# Altium PCB SystemV1.PcbDoc (part 1 of 3) (continued)
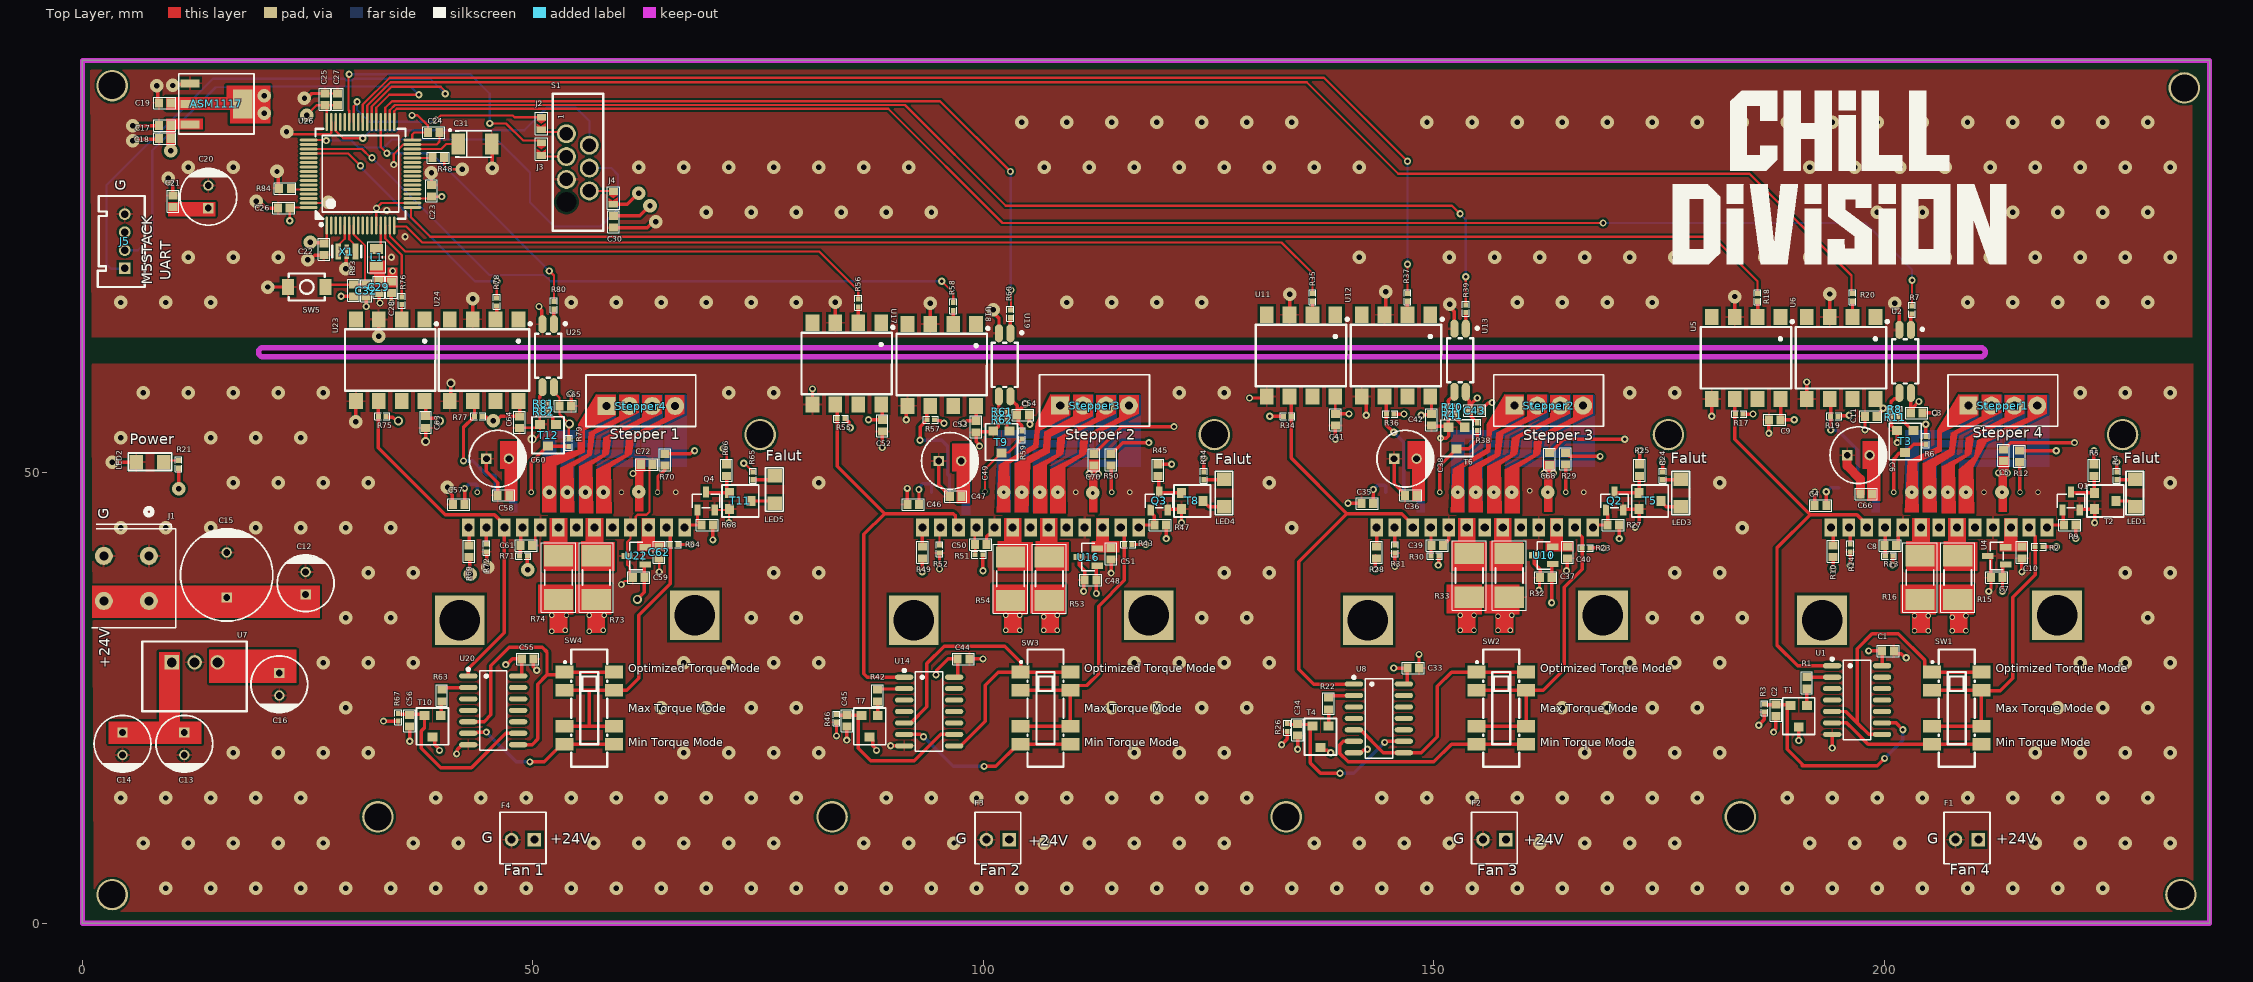
[diagram p0: Top Layer view]
## Components (designator, comment, footprint, x,y, rotation, side; value= is the part's Value field where it differs from the comment) (continued)
LED3 "1206 LED" "1206 LED" 177.292,47.498 r270 top
LED4 "1206 LED" "1206 LED" 126.619,47.498 r270 top
LED5 "1206 LED" "1206 LED" 76.708,47.879 r270 top
Q1 "C400505" SOT-23-3_L2.9-W1.3-P1.90-LS2.4-BR 220.726,46.863 r270 top
Q2 "C400505" SOT-23-3_L2.9-W1.3-P1.90-LS2.4-BR 170.053,46.863 r270 top
Q3 "C400505" SOT-23-3_L2.9-W1.3-P1.90-LS2.4-BR 119.507,46.863 r270 top
Q4 "C400505" SOT-23-3_L2.9-W1.3-P1.90-LS2.4-BR 69.215,46.863 r270 top
R1 "470R" RESC1608X06N 191.389,26.67 r270 top
R2 "4.7KR" R0402 217.173,41.783 r180 top
R3 "4.7KR" R0402 186.693,23.876 r270 top
R4 "4.7KR" R0402 225.806,49.657 r270 top
R5 "24KR" RESC1608X06N 223.266,50.292 r90 top
R6 "4.7KR" R0402 204.6,53.594 r270 top
R7 "1K" R0402 203.073,68.072 r90 top
R8 "4.7KR" R0402 201.171,57.023 r180 top
R9 "33KR" RESC1608X06N 220.599,44.196 r0 top
R10 "33KR" RESC1608X06N 194.31,41.275 r270 top
R11 "4.7KR" R0402 201.223,56.134 r180 top
R12 "0R" RESC1608X06N 215.014,51.816 r90 top
R13 "4.7KR" R0402 200.533,40.767 r180 top
R14 "51KR" R0402 196.215,41.656 r270 top
R15 "0.2R" RESC6431X12N 208.153,38.354 r90 top
R16 "0.2R" RESC6431X12N 203.962,38.354 r90 top
R17 "4.7KR" R0402 183.896,56.515 r180 top
R18 "330R" R0402 185.928,69.469 r90 top
R19 "4.7KR" R0402 194.437,56.261 r180 top
R20 "330R" R0402 196.469,69.469 r90 top
R21 "4.7KR" R0402 10.668,50.927 r90 top
R22 "470R" RESC1608X06N 138.303,24.384 r270 top
R23 "4.7KR" R0402 166.878,41.656 r180 top
R24 "4.7KR" R0402 175.387,49.657 r270 top
R25 "24KR" RESC1608X06N 172.847,50.292 r90 top
R26 "4.7KR" R0402 133.731,21.717 r270 top
R27 "33KR" RESC1608X06N 169.926,44.196 r0 top
R28 "33KR" RESC1608X06N 143.637,41.148 r270 top
R29 "0R" RESC1608X06N 164.595,51.562 r90 top
R30 "4.7KR" R0402 150.114,40.767 r180 top
R31 "51KR" R0402 145.669,41.529 r270 top
R32 "0.2R" RESC6431X12N 158.369,38.608 r90 top
R33 "0.2R" RESC6431X12N 153.924,38.608 r90 top
R34 "4.7KR" R0402 133.734,56.261 r0 top
R35 "330R" R0402 136.525,69.469 r90 top
R36 "4.7KR" R0402 145.161,56.515 r180 top
R37 "330R" R0402 147.066,69.469 r90 top
R38 "4.7KR" R0402 154.816,55.118 r270 top
R39 "1K" R0402 153.543,68.199 r90 top
R40 "4.7KR" R0402 152.022,57.277 r180 top
R41 "4.7KR" R0402 152.022,56.388 r180 top
R42 "470R" RESC1608X06N 88.265,25.273 r270 top
R43 "4.7KR" R0402 116.081,42.037 r180 top
R44 "4.7KR" R0402 124.46,49.657 r270 top
R45 "24KR" RESC1608X06N 119.38,50.292 r90 top
R46 "4.7KR" R0402 83.696,22.733 r270 top
R47 "33KR" RESC1608X06N 119.634,44.196 r0 top
R48 "24KR" RESC1608X06N 39.497,84.963 r180 top
R49 "33KR" RESC1608X06N 93.218,41.148 r270 top
R50 "0R" RESC1608X06N 114.176,51.435 r90 top
R51 "4.7KR" R0402 99.516,40.894 r180 top
R52 "51KR" R0402 95.123,41.529 r270 top
R53 "0.2R" RESC6431X12N 107.315,38.227 r90 top
R54 "0.2R" RESC6431X12N 102.997,38.227 r90 top
R55 "4.7KR" R0402 84.201,56.007 r180 top
R56 "330R" R0402 86.106,68.834 r90 top
R57 "4.7KR" R0402 94.159,55.88 r180 top
R58 "330R" R0402 96.647,68.453 r90 top
R59 "4.7KR" R0402 104.27,54.177 r270 top
R60 "1K" R0402 102.997,67.639 r90 top
R61 "4.7KR" R0402 102.111,56.769 r180 top
R62 "4.7KR" R0402 102.111,55.88 r180 top
R63 "470R" RESC1608X06N 39.878,25.273 r270 top
R64 "4.7KR" R0402 65.659,42.037 r180 top
R65 "4.7KR" R0402 74.422,49.657 r270 top
R66 "24KR" RESC1608X06N 71.501,50.292 r90 top
R67 "4.7KR" R0402 35.052,22.86 r270 top
R68 "33KR" RESC1608X06N 69.342,44.196 r0 top
R69 "33KR" RESC1608X06N 42.926,41.275 r270 top
R70 "0R" RESC1608X06N 64.646,51.435 r90 top
R71 "4.7KR" R0402 48.947,40.767 r180 top
R72 "51KR" R0402 44.831,41.656 r270 top
R73 "0.2R" RESC6431X12N 57.023,38.354 r90 top
R74 "0.2R" RESC6431X12N 52.832,38.354 r90 top
R75 "4.7KR" R0402 33.274,56.261 r180 top
R76 "330R" R0402 35.433,69.088 r90 top
R77 "4.7KR" R0402 43.942,56.261 r180 top
R78 "330R" R0402 45.974,68.961 r90 top
R79 "4.7KR" R0402 53.975,53.34 r270 top
R80 "1K" R0402 52.324,68.58 r90 top
R81 "4.7KR" R0402 51.181,57.658 r180 top
R82 "4.7KR" R0402 51.181,56.769 r180 top
R83 "24KR" RESC1608X06N 30.099,70.231 r90 top
R84 "24KR" RESC1608X06N 22.479,81.534 r0 top
S1 "STM Debug" STM_Debug 54.991,84.455 r90 top
Stepper1 "Header 4 Pin Polar" PCBComponent_1#2 213.157,57.452 r0 top
Stepper2 "Header 4 Pin Polar" PCBComponent_1#2 162.747,57.452 r0 top
Stepper3 "Header 4 Pin Polar" PCBComponent_1#2 112.337,57.452 r0 top
Stepper4 "Header 4 Pin Polar" PCBComponent_1#2 61.976,57.404 r0 top
SW1 "MST23D19G2" SW-SMD_MST23D19G2 208.026,23.876 r270 top
SW2 "MST23D19G2" SW-SMD_MST23D19G2 157.48,23.876 r270 top
SW3 "MST23D19G2" SW-SMD_MST23D19G2 106.89,23.876 r270 top
SW4 "MST23D19G2" SW-SMD_MST23D19G2 56.261,23.876 r270 top
SW5 "C492861" SW-SMD_L4.0-W3.0-LS4.8 24.892,70.612 r0 top
T1 "MMBT3904 Transistor" MMBT3904 190.5,22.987 r270 top
T2 "MMBT3904 Transistor" MMBT3904 224.536,46.863 r0 top
T3 "MMBT3904 Transistor" MMBT3904 202.314,53.467 r270 top
T4 "MMBT3904 Transistor" MMBT3904 137.414,20.701 r270 top
T5 "MMBT3904 Transistor" MMBT3904 173.99,46.863 r0 top
T6 "MMBT3904 Transistor" MMBT3904 152.53,53.848 r270 top
T7 "MMBT3904 Transistor" MMBT3904 87.376,21.844 r270 top
T8 "MMBT3904 Transistor" MMBT3904 123.19,46.863 r0 top
T9 "MMBT3904 Transistor" MMBT3904 101.995,53.41 r270 top
T10 "MMBT3904 Transistor" MMBT3904 38.862,21.844 r270 top
T11 "MMBT3904 Transistor" MMBT3904 73.025,46.863 r0 top
T12 "MMBT3904 Transistor" MMBT3904 51.678,54.172 r270 top
U1 "SN74HC14DR" SOIC-14_L8.7-W3.9-P1.27-LS6.0-BL 196.977,24.765 r270 top
U2 "TLP291(GB-TP,SE" SOP-4-1.27mm 202.311,62.357 r90 top
U3 "TB6600HG" HZIP25-P-1.00F 218.059,43.942 r180 bottom locked
U4 "REF3318AIDBZR" SOT-23-3_L2.9-W1.3-P1.90-LS2.4-BR 212.474,40.767 r0 top
U5 "6N137S-TA1-L" SOP-8_L9.8-W6.6-P2.54-LS10.3-BL 184.658,62.738 r180 top
U6 "6N137S-TA1-L" SOP-8_L9.8-W6.6-P2.54-LS10.3-BL 195.199,62.738 r180 top
U7 "C5369649" SIP-3 9.906,28.854 r0 top
U8 "SN74HC14DR" SOIC-14_L8.7-W3.9-P1.27-LS6.0-BL 143.891,22.733 r270 top
U9 "TB6600HG" HZIP25-P-1.00F 167.649,43.942 r180 bottom locked
U10 "REF3318AIDBZR" SOT-23-3_L2.9-W1.3-P1.90-LS2.4-BR 162.198,40.828 r0 top
U11 "6N137S-TA1-L" SOP-8_L9.8-W6.6-P2.54-LS10.3-BL 135.255,62.992 r180 top
U12 "6N137S-TA1-L" SOP-8_L9.8-W6.6-P2.54-LS10.3-BL 145.796,62.992 r180 top
U13 "TLP291(GB-TP,SE" SOP-4-1.27mm 152.908,62.484 r90 top
U14 "SN74HC14DR" SOIC-14_L8.7-W3.9-P1.27-LS6.0-BL 93.98,23.495 r270 top
U15 "TB6600HG" HZIP25-P-1.00F 117.239,43.942 r180 bottom locked
U16 "REF3318AIDBZR" SOT-23-3_L2.9-W1.3-P1.90-LS2.4-BR 111.633,40.64 r0 top
U17 "6N137S-TA1-L" SOP-8_L9.8-W6.6-P2.54-LS10.3-BL 84.836,62.103 r180 top
U18 "6N137S-TA1-L" SOP-8_L9.8-W6.6-P2.54-LS10.3-BL 95.377,61.976 r180 top
U19 "TLP291(GB-TP,SE" SOP-4-1.27mm 102.362,61.976 r90 top
U20 "SN74HC14DR" SOIC-14_L8.7-W3.9-P1.27-LS6.0-BL 45.593,23.622 r270 top
U21 "TB6600HG" HZIP25-P-1.00F 66.829,43.942 r180 bottom locked
U22 "REF3318AIDBZR" SOT-23-3_L2.9-W1.3-P1.90-LS2.4-BR 61.468,40.767 r0 top
U23 "6N137S-TA1-L" SOP-8_L9.8-W6.6-P2.54-LS10.3-BL 34.163,62.484 r180 top
U24 "6N137S-TA1-L" SOP-8_L9.8-W6.6-P2.54-LS10.3-BL 44.577,62.484 r180 top
U25 "TLP291(GB-TP,SE" SOP-4-1.27mm 51.689,62.992 r90 top
U26 "STM32" LQFP-64_L10.0-W10.0-P0.50-LS12.0-BL 30.861,83.185 r0 top
X1 "8MHz" SMD3213-3P 29.337,74.549 r0 top

## Footprints (in the part's own frame and the unit in brackets; to place one, negate y for a bottom-side part, rotate by r counter-clockwise, add the part's x,y. Pads: shape width x height; smd on the part's side, far side on the other; paste and mask are expansions set on the pad)
"1206 LED" [mm]
  rect 1.5x1.6 smd: 1(-1.778,0.127) 2(1.27,0.127)
  silkscreen extent -2.67,-0.89 2.16,1.07, body extent -1.7,-0.69 1.5,0.91, height 1.1
CAPLEAD_D6.3MM [mm]
  rect 1.15x1.15 / inner round 1.15 / far side rect 1.15x1.15 hole 0.75: 1(0,0)
  round 1.15 hole 0.75: 2(2.5,0)
  silkscreen extent -1.9,-3.15 4.43,3.15, body extent -1.91,-3.18 4.39,3.12, height 9
CAPLEAD_D10mm [mm]
  rect 1.15x1.15 / inner round 1.15 / far side rect 1.15x1.15 hole 0.75: 1(0,0)
  round 1.15 hole 0.75: 2(5,0)
  silkscreen extent -2.62,-5.13 7.67,5.13, body extent -2.71,-5.25 7.79,5.25, height 14
CASE-B_3528 [mm]
  rect 1.506x2.376 smd paste+0 mask+0.051: 1(-1.861,0) 2(1.861,0)
  silkscreen extent -2.85,-1.55 1.83,1.63, body extent -1.85,-1.4 1.85,1.4, height 2
CONN2_235-402331-000_WAGO [mm]
  round 2 hole 1 paste-0.85 mask+0: 1(0,0) 2(0,-5) 3(5,0) 4(5,-5)
  silkscreen extent -5.29,-6.35 8,3, body extent -3.42,-9.58 8.08,3.02, height 15.6
CONN-TH_4P-P2.00_HX20020-4A_2 [mm]
  rect 1.3x1.3 hole 0.85: 1(0,0)
  round 1.3 hole 0.85: 2(-2,0) 3(-4,0) 4(-6,0)
  silkscreen extent -8,-3 2.1,2.2, body extent -8.05,-3.08 1.95,2.02, height 8
HZIP25-P-1.00F [mm]
  rect 1.4x2 hole 0.9: 1(0,0) 3(2,0) 5(4,0) 7(6,0) 9(8,0) 11(10,0) 13(12,0) 15(14,0) 17(16,0) 19(18,0) 21(20,0) 23(22,0) 25(24,0)
  rect 0.635x4.2 smd: 2(1,3.9) 4(3,3.9) 6(5,3.9) 8(7,3.9) 10(9,3.9) 12(11,3.9) 14(13,3.9) 16(15,3.9) 18(17,3.9) 20(19,3.9) 22(21,3.9) 24(23,3.9)
  round 3.5 hole 3: ""(-8.387,10.297) ""(34.04,-32.13)
  rect 5.516x5.516 / inner round 5.516 / far side rect 5.516x5.516 hole 4.5: ""(-1.116,-9.746) ""(24.97,-10.3)
  silkscreen extent -11.88,-35.63 37.54,13.79, body extent -11.53,-35.47 37.89,13.95, height 18
INDC2012X06N [mm] "Chip Inductor, 2-Leads, Body 2.00x1.25mm, IPC Medium Density"
  rect 1.07x1.47 smd: 1(-0.92,0) 2(0.92,0)
  silkscreen extent -1.7,-1 1.7,1, body extent -1.1,-0.72 1.1,0.72, height 0.6
Jumper [mm]
  rect 0.75x1 smd paste-2539.97: 1(-0.051,0)
  rect 0.75x1.03 smd paste-2539.97: 2(1.351,0)
  Top Layer region: 0.153,-0.495 0.368,-0.495 0.368,0.495 0.153,0.495
  Top Layer region: 1.06,0.502 0.601,0.502 0.964,-0.056 0.679,-0.514 1.06,-0.514
  Top Layer region: 0.356,0.495 0.683,0.013 0.356,-0.495
  silkscreen extent -0.61,-0.69 1.91,0.71
LQFP-64_L10.0-W10.0-P0.50-LS12.0-BL [mm]
  oval 0.3x2 smd paste+0 mask+0.051: 1(-3.75,-5.75) 2(-3.25,-5.75) 3(-2.75,-5.75) 4(-2.25,-5.75) 5(-1.75,-5.75) 6(-1.25,-5.75) 7(-0.75,-5.75) 8(-0.25,-5.75) 9(0.25,-5.75) 10(0.75,-5.75) 11(1.25,-5.75) 12(1.75,-5.75) 13(2.25,-5.75) 14(2.75,-5.75) 15(3.25,-5.75) 16(3.75,-5.75) 33(3.75,5.75) 34(3.25,5.75) 35(2.75,5.75) 36(2.25,5.75) 37(1.75,5.75) 38(1.25,5.75) 39(0.75,5.75) 40(0.25,5.75) 41(-0.25,5.75) 42(-0.75,5.75) 43(-1.25,5.75) 44(-1.75,5.75) 45(-2.25,5.75) 46(-2.75,5.75) 47(-3.25,5.75) 48(-3.75,5.75)
  oval 2x0.3 smd paste+0 mask+0.051: 17(5.75,-3.75) 18(5.75,-3.25) 19(5.75,-2.75) 20(5.75,-2.25) 21(5.75,-1.75) 22(5.75,-1.25) 23(5.75,-0.75) 24(5.75,-0.25) 25(5.75,0.25) 26(5.75,0.75) 27(5.75,1.25) 28(5.75,1.75) 29(5.75,2.25) 30(5.75,2.75) 31(5.75,3.25) 32(5.75,3.75) 49(-5.75,3.75) 50(-5.75,3.25) 51(-5.75,2.75) 52(-5.75,2.25) 53(-5.75,1.75) 54(-5.75,1.25) 55(-5.75,0.75) 56(-5.75,0.25) 57(-5.75,-0.25) 58(-5.75,-0.75) 59(-5.75,-1.25) 60(-5.75,-1.75) 61(-5.75,-2.25) 62(-5.75,-2.75) 63(-5.75,-3.25) 64(-5.75,-3.75)
  silkscreen extent -5,-5.79 5,5, body extent -6.01,-5.99 5.99,6.01, height 1.48
MMBT3904 [mm] "SOT23, 3-Leads, Body 2.90x2.45mm, Pitch 0.90mm, IPC Medium Density"
  rect 1x1.1 smd: B(-1.2,0.9) C(1.2,0) E(-1.2,-0.9)
  silkscreen extent -2.03,-1.78 2.03,1.78, body extent -0.7,-1.5 0.7,1.5, height 1.1
PCBComponent_1#1 [mm]
  rect 0.9x1 smd: 1(-0.65,0) 2(0.65,0)
  silkscreen extent -1.22,-0.64 1.22,0.64, body extent -1.03,-0.39 0.97,0.39, height 0.79
PCBComponent_1#2 [mm]
  rect 2x2 hole 0.9: 1(-3.81,0)
  round 2 hole 0.9: 2(-1.27,0) 3(1.27,0) 4(3.81,0)
  silkscreen extent -6.1,-2.29 6.1,3.43, body extent -6.2,-2.32 6.2,3.43, height 7
"PinHeader Polar" [mm]
  rect 1.5x1.5 hole 0.9: 1(-1.27,0)
  round 1.5 hole 0.9: 2(1.27,0)
  silkscreen extent -2.54,-3.05 2.54,2.67, body extent -2.54,-3.15 2.54,2.65, height 11.72
R0402 [mm]
  rect 0.566x0.54 smd paste-100 mask+0.051: 1(-0.433,0) 2(0.433,0)
  silkscreen extent -0.81,-0.37 0.84,0.38, body extent -0.58,-0.28 0.58,0.28, height 0.41
RESC1608X06N [mm] "Chip Resistor, 2-Leads, Body 1.60x0.80mm, IPC Medium Density"
  rect 0.9x1 smd: 1(-0.65,0) 2(0.65,0)
  silkscreen extent -1.22,-0.64 1.22,0.64, body extent -0.9,-0.5 0.9,0.5, height 0.55
RESC6431X12N [mm] "Chip Resistor, 2-Leads, Body 6.35x3.05mm, IPC Medium Density"
  rect 2.35x3.25 smd: 1(-2.425,0) 2(2.425,0)
  silkscreen extent -3.85,-1.9 3.85,1.9, body extent -3.2,-1.6 3.2,1.6, height 0.53
SIP-3 [mm]
  rect 1.6x1.6 hole 1.1 paste+0 mask+0.05: 1(0,0.102)
  round 1.6 hole 1.1 paste+0 mask+0.05: 2(2.54,0.102) 3(5.08,0.102)
  silkscreen extent -3.26,-5.33 8.34,2.41, body extent -3.16,-5.26 8.34,2.29, height 10.25
SMD3213-3P [mm]
  rect 0.65x1.8 smd mask+0.05: 1(-0.95,0) 3(0.95,0)
  rect 0.5x1.6 smd mask+0.05: 2(0,0)
  silkscreen extent -1.6,-0.65 1.6,0.65, body extent -1.6,-0.66 1.6,0.64, height 1.02
SOIC-14_L8.7-W3.9-P1.27-LS6.0-BL [mm]
  oval 0.574x2.038 smd paste+0 mask+0.051: 1(-3.81,-2.769) 2(-2.54,-2.769) 3(-1.27,-2.769) 4(0,-2.769) 5(1.27,-2.769) 6(2.54,-2.769) 7(3.81,-2.769) 8(3.81,2.769) 9(2.54,2.769) 10(1.27,2.769) 11(0,2.769) 12(-1.27,2.769) 13(-2.54,2.769) 14(-3.81,2.769)
  silkscreen extent -4.7,-2.92 4.4,1.52, body extent -4.43,-3 4.37,3, height 1.7
SOP-4-1.27mm [mm]
  oval 2x0.9 smd: 1(3.5,-0.635) 2(3.5,0.635) 3(-3.5,0.635) 4(-3.5,-0.635)
  silkscreen extent -2.45,-2.05 3.71,1.45, body extent -3.37,-1.3 3.63,1.3, height 2.1
SOP-8_L9.8-W6.6-P2.54-LS10.3-BL [mm]
  rect 1.525x1.78 smd paste+0 mask+0.051: 1(-3.81,-4.545) 2(-1.27,-4.545) 3(1.27,-4.545) 4(3.81,-4.545) 5(3.81,4.545) 6(1.27,4.545) 7(-1.27,4.545) 8(-3.81,4.545)
  silkscreen extent -5.27,-4.19 5.03,3.39, body extent -4.83,-5.15 4.83,5.15, height 4.32
SOT229P700X180-4N [mm] "SOT223, 4-Leads, Body 6.50x7.00mm (avg), Pitch 2.29mm, IPC Medium Density"
  rect 2.15x0.9 smd: GND(-2.93,2.29) Vin(-2.93,-2.29) Vout(-2.93,0)
  rect 2.15x3.25 smd: Vout(2.93,0)
  silkscreen extent -4.17,-3.35 4.17,3.35, body extent -3.55,-3.28 3.45,3.22, height 1.85
SOT-23-3_L2.9-W1.3-P1.90-LS2.4-BR [mm]
  rect 1.25x0.7 smd paste+0 mask+0.051: 1(1,-0.95) 2(1,0.95) 3(-1,0)
  silkscreen extent -0.73,-1.53 0.73,1.53, body extent -1.25,-1.47 1.25,1.53, height 1.05
STM_Debug [mm]
  round 1.524 hole 2.2: 0(-4.405,1.27)
  round 2.1 hole 1.5: 1(3.175,1.27) 2(0.635,1.27) 3(-1.905,1.27) 4(-3.175,-1.27) 5(-0.635,-1.27) 6(1.905,-1.27)
  silkscreen extent -7.6,-2.8 7.6,2.8
SW-SMD_L4.0-W3.0-LS4.8 [mm]
  rect 1.35x1.8 smd paste+0 mask+0.051: 1(-2.075,0) 2(2.075,0)
  silkscreen extent -2,-1.5 2,1.5, body extent -2.15,-1.52 2.15,1.43, height 2.01
SW-SMD_MST23D19G2 [mm]
  rect 1.4x2 smd: 1(-4,-2.75) 2(-2,-2.75) 3(2,-2.75) 4(4,-2.75) 5(4,2.75) 6(2,2.75) 7(-2,2.75) 8(-4,2.75)
  silkscreen extent -6.5,-2.8 6.5,2, body extent -4.92,-3.35 5.07,2.65, height 3.51

## Part data
ASM1117: "C347222", Created By=NourAldin
C1 C2 C3 C4 C5 C8 C9 C11 C21 C22 C23 C24 C25 C26 C30 C32 C33 C34 C35 C36 C39 C41 C42 C43 C44 C45 C46 C47 C50 C52 C53 C54 C55 C56 C57 C58 C61 C63 C64 C65 C66 C68 C70 C72: library part "0603 Capacitor", "C1591", Created By=NourAldin, DataSheet Link=https://eu.mouser.com/datasheet/2/400/lcc_automotive_general_en-843974.pdf, Mouser Link=https://eu.mouser.com/ProductDetail/TDK/CGA1A2X7R1H331M030BA?qs=sGAEpiMZZMs0AnBnWHyRQL8L3bkL%252bvtyS9XpSB1mk7rVV5K8%252bbxEeg%3d%3d
C6 C38 C49 C60: library part A759EQ475M2AAAE160, "C45100", Manufacturer=KEMET, Supplier Part Number 1=80-A759EQ475M2AAE160, Category="Polymer Capacitors", ComponentLink1Description=http://www.kemet.com/docfinder?Partnumber=A759EQ475M2AAAE160&src-supplier=Digikey, ComponentLink1URL=http://www.kemet.com/docfinder?Partnumber=A759EQ475M2AAAE160&src-supplier=Digikey, ComponentLink2Description=http://www.farnell.com/datasheets/2095614.pdf?src-supplier=Element14, ComponentLink2URL=http://www.farnell.com/datasheets/2095614.pdf?src-supplier=Element14, Manufacturer Part Number=A759EQ475M2AAAE160, Pricing 1="1=0.97, 10=0.73, 50=0.73, 100=0.546, 1000=0.384, 10000=0.326 (USD)", RoHS=Yes, Stock 1=17219, Supplier 1=Mouser
C7 C37 C48 C59: library part "0603 Capacitor", "C96446", Created By=NourAldin, DataSheet Link=https://eu.mouser.com/datasheet/2/400/lcc_automotive_general_en-843974.pdf, Mouser Link=https://eu.mouser.com/ProductDetail/TDK/CGA1A2X7R1H331M030BA?qs=sGAEpiMZZMs0AnBnWHyRQL8L3bkL%252bvtyS9XpSB1mk7rVV5K8%252bbxEeg%3d%3d
C10 C17 C28 C40 C51 C62: library part "0603 Capacitor", "C1592", Created By=NourAldin, DataSheet Link=https://eu.mouser.com/datasheet/2/400/lcc_automotive_general_en-843974.pdf, Mouser Link=https://eu.mouser.com/ProductDetail/TDK/CGA1A2X7R1H331M030BA?qs=sGAEpiMZZMs0AnBnWHyRQL8L3bkL%252bvtyS9XpSB1mk7rVV5K8%252bbxEeg%3d%3d
C12: library part A759EQ475M2AAAE160, "C47891", Manufacturer=KEMET, Supplier Part Number 1=80-A759EQ475M2AAE160, Category="Polymer Capacitors", ComponentLink1Description=http://www.kemet.com/docfinder?Partnumber=A759EQ475M2AAAE160&src-supplier=Digikey, ComponentLink1URL=http://www.kemet.com/docfinder?Partnumber=A759EQ475M2AAAE160&src-supplier=Digikey, ComponentLink2Description=http://www.farnell.com/datasheets/2095614.pdf?src-supplier=Element14, ComponentLink2URL=http://www.farnell.com/datasheets/2095614.pdf?src-supplier=Element14, Manufacturer Part Number=A759EQ475M2AAAE160, Pricing 1="1=0.97, 10=0.73, 50=0.73, 100=0.546, 1000=0.384, 10000=0.326 (USD)", RoHS=Yes, Stock 1=17219, Supplier 1=Mouser
C13 C16 C20: library part A759EQ475M2AAAE160, "C45099", Manufacturer=KEMET, Supplier Part Number 1=80-A759EQ475M2AAE160, Category="Polymer Capacitors", ComponentLink1Description=http://www.kemet.com/docfinder?Partnumber=A759EQ475M2AAAE160&src-supplier=Digikey, ComponentLink1URL=http://www.kemet.com/docfinder?Partnumber=A759EQ475M2AAAE160&src-supplier=Digikey, ComponentLink2Description=http://www.farnell.com/datasheets/2095614.pdf?src-supplier=Element14, ComponentLink2URL=http://www.farnell.com/datasheets/2095614.pdf?src-supplier=Element14, Manufacturer Part Number=A759EQ475M2AAAE160, Pricing 1="1=0.97, 10=0.73, 50=0.73, 100=0.546, 1000=0.384, 10000=0.326 (USD)", RoHS=Yes, Stock 1=17219, Supplier 1=Mouser
C14: library part A759EQ475M2AAAE160, "C2029", Manufacturer=KEMET, Supplier Part Number 1=80-A759EQ475M2AAE160, Category="Polymer Capacitors", ComponentLink1Description=http://www.kemet.com/docfinder?Partnumber=A759EQ475M2AAAE160&src-supplier=Digikey, ComponentLink1URL=http://www.kemet.com/docfinder?Partnumber=A759EQ475M2AAAE160&src-supplier=Digikey, ComponentLink2Description=http://www.farnell.com/datasheets/2095614.pdf?src-supplier=Element14, ComponentLink2URL=http://www.farnell.com/datasheets/2095614.pdf?src-supplier=Element14, Manufacturer Part Number=A759EQ475M2AAAE160, Pricing 1="1=0.97, 10=0.73, 50=0.73, 100=0.546, 1000=0.384, 10000=0.326 (USD)", RoHS=Yes, Stock 1=17219, Supplier 1=Mouser
C15: library part MAL215058101E3, "C2960279", Manufacturer="Vishay BCcomponents", Supplier Part Number 1=594-2222-150-58101, Category="Aluminum Electrolytic Capacitors", ComponentLink1Description=https://datasheet.ciiva.com/11697/150rmi-11697723.pdf?src-supplier=Avnet, ComponentLink1URL=https://datasheet.ciiva.com/11697/150rmi-11697723.pdf?src-supplier=Avnet, Manufacturer Part Number=MAL215058101E3, Pricing 1="1=1.45, 10=1.09, 50=1.09, 100=0.799, 1000=0.585, 10000=0.496 (USD)", RoHS=Yes, Stock 1=1562, Supplier 1=Mouser, Supplier 2=LCSC, Supplier Part Number 2=C1596751
C18 C19: library part "0603 Capacitor", "C2762594", Created By=NourAldin, DataSheet Link=https://eu.mouser.com/datasheet/2/400/lcc_automotive_general_en-843974.pdf, Mouser Link=https://eu.mouser.com/ProductDetail/TDK/CGA1A2X7R1H331M030BA?qs=sGAEpiMZZMs0AnBnWHyRQL8L3bkL%252bvtyS9XpSB1mk7rVV5K8%252bbxEeg%3d%3d
C27: library part "0603 Capacitor", "C69335", Created By=NourAldin, DataSheet Link=https://eu.mouser.com/datasheet/2/400/lcc_automotive_general_en-843974.pdf, Mouser Link=https://eu.mouser.com/ProductDetail/TDK/CGA1A2X7R1H331M030BA?qs=sGAEpiMZZMs0AnBnWHyRQL8L3bkL%252bvtyS9XpSB1mk7rVV5K8%252bbxEeg%3d%3d
C29: library part "0603 Capacitor", "C100042", Created By=NourAldin, DataSheet Link=https://eu.mouser.com/datasheet/2/400/lcc_automotive_general_en-843974.pdf, Mouser Link=https://eu.mouser.com/ProductDetail/TDK/CGA1A2X7R1H331M030BA?qs=sGAEpiMZZMs0AnBnWHyRQL8L3bkL%252bvtyS9XpSB1mk7rVV5K8%252bbxEeg%3d%3d
C31: library part "3528  Tantalum Cap", "C7206", JLCPCB Part Class="Extended Part", Manufacturer="Kyocera AVX", Manufacturer Part=TAJR106K006RNJ, Contributor=LCSC, nameAlias=Value, spicePre=C, spiceSymbolName=TAJR106K006RNJ, Supplier=LCSC, Supplier Part=C132274
F1 F2 F3 F4: library part "Header 2 pin", "Header 2 pin", Created By=NourAldin
J1: library part 235-402331-000, "C7461083", Mfr_Name=Wago, RefDes=RefDes, Type=Type
J5: library part ZX-HY2.0-4PZZ, "C42372479", Colour=White, Current Rating (Max)=2A, Flame Retardant Rating=UL94V-0, JLCPCB Part Class="Extended Part", LCSC Part Name="1x4P 间距:2mm 直插 系列:HY 配套胶壳型号：ZX-HY2.0-4PJK 配套端子型号：ZX-HY2.0-DZ 配套杜邦线型号：ZX-HY2.0-4PBXC", Manufacturer=Megastar(兆星), Operating Temperature Range=-25℃~+85℃, Rated Voltage (Max)=250V, Add into BOM=yes, Contact Material=Brass, Contact Plating=Tin, Convert to PCB=yes, DataSheet=https://atta.szlcsc.com/upload/public/pdf/source/20241025/5A7CD93910E89EF197073334521200FC.pdf, Device=ZX-HY2.0-4PZZ, Manufacturer Part=ZX-HY2.0-4PZZ, Mounting Style="Direct Insert", Number of Pins=4P, Number of PINs Per Row=4, Number of Rows=1, Pins Structure=1x4P, Pitch=2mm, Plastic Material=-, Reference Series=HY, Row Spacing=-, Supplementary Features=-, Supplier=LCSC, Supplier Footprint=插件,P=2mm, Supplier Part=C7429580, Symbol=ZX-HY2.0-4PZZ, X-Length of Bottom Edge on Board (Spacing Line)=10mm, Y-Width of Bottom Edge on Board=5.1mm, Z-Height of the Board=8mm
L1: library part "0805 SMD INDUCTOR", "C99366", Created By=NourAldin
LED1 LED3 LED4 LED5: "C434438", Created By=NourAldin
LED2: "C434442", Created By=NourAldin
Q1 Q2 Q3 Q4: library part BSS138_MOSFET, JLCPCB Part Class="Extended Part", Manufacturer=YANGJIE(扬杰), Manufacturer Part=BSS138, Contributor=LCSC, spicePre=Q, spiceSymbolName=BSS138_C400505, Supplier=LCSC, Supplier Part=C400505
R1 R22 R42 R63: library part "0603 Resistor", "C114669", Created By=NourAldin, DataSheet Link=https://eu.mouser.com/datasheet/2/315/AOA0000C307-1149632.pdf, Mouser Link=https://eu.mouser.com/ProductDetail/Panasonic/ERA-3AHD180V?qs=sGAEpiMZZMvdGkrng054t5mej2KPdPuFSlDBd1tSiF0%3d
R2 R3 R4 R6 R8 R11 R13 R17 R19 R21 R23 R24 R26 R30 R34 R36 R38 R40 R41 R43 R44 R46 R51 R55 R57 R59 R61 R62 R64 R65 R67 R71 R75 R77 R79 R81 R82: library part "0402 Resistor", "C105871"
R5 R25 R45 R48 R66 R83 R84: library part "0603 Resistor", "C2930081", Created By=NourAldin, DataSheet Link=https://eu.mouser.com/datasheet/2/315/AOA0000C307-1149632.pdf, Mouser Link=https://eu.mouser.com/ProductDetail/Panasonic/ERA-3AHD180V?qs=sGAEpiMZZMvdGkrng054t5mej2KPdPuFSlDBd1tSiF0%3d
R7 R39 R60 R80: library part "0402 Resistor", "C106235"
R9 R10 R27 R28 R47 R49 R68 R69: library part "0603 Resistor", "C126359", Created By=NourAldin, DataSheet Link=https://eu.mouser.com/datasheet/2/315/AOA0000C307-1149632.pdf, Mouser Link=https://eu.mouser.com/ProductDetail/Panasonic/ERA-3AHD180V?qs=sGAEpiMZZMvdGkrng054t5mej2KPdPuFSlDBd1tSiF0%3d
R12 R29 R50 R70: library part "0603 Resistor", "C100044", Created By=NourAldin, DataSheet Link=https://eu.mouser.com/datasheet/2/315/AOA0000C307-1149632.pdf, Mouser Link=https://eu.mouser.com/ProductDetail/Panasonic/ERA-3AHD180V?qs=sGAEpiMZZMvdGkrng054t5mej2KPdPuFSlDBd1tSiF0%3d
R14 R31 R52 R72: library part "0402 Resistor", "C107230"
R15 R16 R32 R33 R53 R54 R73 R74: library part "2512 Resistor", "C2903473", Created By=NourAldin, DataSheet Link=https://eu.mouser.com/datasheet/2/54/ss2h-2512-1302652.pdf, Mouser Link=https://eu.mouser.com/ProductDetail/Bourns/CSS2H-2512K-2L00F?qs=sGAEpiMZZMukHu%252bjC5l7YewuupLM8jZrvWs15Y6t0rY%3D&fbclid=IwAR0ZD_uc1Y03YG_KyYG8NxrpBzYgFzVeevvjxrlqtGWJ1HKz-jrYfqlFWCw
R18 R20 R35 R37 R56 R58 R76 R78: library part "0402 Resistor", "C105875"
S1: "Wurth Elektronik 490107670612", Color=Black, Current Rating (Max)=2A, JLCPCB Part Class="Extended Part", LCSC Part Name="2x3P 间距:2mm 方针 直插", Manufacturer="XKB Connection(中国星坤)", Manufacturer Part=X4621WVS-2x03I-C40D64, Operating Temperature Range=-40℃~+105℃, Soldering Temperature(Max)=260℃, Voltage Rating (Max)=250V, Add into BOM=yes, Circluar Pins/Square Pins="Square Pins", Contact Plating=Gold, Convert to PCB=yes, DataSheet=https://atta.szlcsc.com/upload/public/pdf/source/20211011/BBC0D112400A54BA7413419DECD38CC2.pdf, Device=X4621WVS-2x03I-C40D64, Insulation Height=2mm, Length of End Connection Pin=6.4mm, Length of Mating Pin=4mm, Mounting Type=Straight, Number of Pins=6P, Number of Rows=双排, Pin Structure=2x3P, Pitch=2mm, Row Spacing=2mm, Supplier=LCSC, Supplier Footprint=SMD,P=2mm, Supplier Part=C917608, Symbol=X4621WVS-2X03I-C40D64
SW1 SW2 SW3 SW4: "C431545", Actuator Color=-, Current Rating (DC)=100mA, JLCPCB Part Class="Extended Part", LCSC Part Name="三档立式贴片 8脚拨动 柄长2.0MM", Manufacturer="SHOU HAN(首韩)", Operating Temperature=-25℃~+70℃, Voltage Rating (DC)=12V, Actuator Style=-, Add into BOM=yes, Circuit=双刀三掷, Convert to PCB=yes, Current Rating (AC)=-, DataSheet=https://atta.szlcsc.com/upload/public/pdf/source/20190925/C431545_A88710AC241B275593C257CF6D595AD7.pdf, Device=MST23D19G2, Manufacturer Part=MST23D19G2, Mechanical Life=1万次, Mounting Style="Brick nogging", Pin Style=SMDSplicing, Supplier=LCSC, Supplier Footprint=SMD, Supplier Part=C431545, Switch Height=3.5mm, Switch Length=12.95mm, Switch Width=3.55mm, Symbol=MST23D19G2, Voltage Rating (AC)=-
SW5: library part "tact switch", JLCPCB Part Class="Extended Part", Manufacturer=Yuandi(元迪), Manufacturer Part=TS-1071AS-A1B3-D4, Contributor=LCSC, spicePre=S, spiceSymbolName=TS-1071AS-A1B3-D4, Supplier=LCSC, Supplier Part=C492861
T1 T2 T3 T4 T5 T6 T7 T8 T9 T10 T11 T12: "C108429", Created By=NourAldin
U1 U8 U14 U20: "C6820", JLCPCB Part Class="Extended Part", LCSC Part Name=六路施密特触发反相器, Manufacturer=TI(德州仪器), Operating Temperature=-40℃~+85℃, Sink Current=5.2mA, Supply Current (Max)=2uA, Supply Voltage(Single)=2V~6V, Add into BOM=yes, Convert to PCB=yes, DataSheet=https://www.ti.com/cn/lit/gpn/sn74hc14, Device=SN74HC14DR, High level range (VIH)=1.5V~4.2V, Input Type="Schmitt Trigger", Low level range (VIL)=300mV~1.2V, Manufacturer Part=SN74HC14DR, Max Propagation Delay=21ns@6V,50pF, Number of Circuits=6, Number of Inputs=1, Series=74HCSeries, Source Current=5.2mA, Supplier=LCSC, Supplier Footprint=SOIC-14, Supplier Part=C6820, Symbol=SN74HC14DR
U2 U13 U19 U25: library part TLP291(GB-TP,SE(T, "C55144", BOM_JLCPCB Part Class="Extended Part", BOM_Manufacturer=TOSHIBA(东芝), BOM_Supplier=LCSC, LCSC Link=https://www.lcsc.com/product-detail/Optocouplers-Phototransistor-Output_TOSHIBA-TLP291-GB-TP-SE_C55144.html, Manufacturer Part Number=TLP291(GB-TP,SE, spiceSymbolName=TLP291(GB-TP,SE(T, Supplier Part Number 2=C55144
U3 U9 U15 U21: "C66042", JLCPCB Part Class="Extended Part", LCSC Part Name="4.5A 42V电机驱动芯片", Manufacturer=TOSHIBA(东芝), Add into BOM=yes, Convert to PCB=yes, DataSheet=https://atta.szlcsc.com/upload/public/pdf/source/20170511/1494500127812.pdf, Device=TB6600HG, Manufacturer Part=TB6600HG, Supplier=LCSC, Supplier Footprint=HZIP-25-P-1mm, Supplier Part=C66042, Symbol=TB6600HG
U4 U10 U16 U22: "C115877", Input Voltage=2V~5.5V, JLCPCB Part Class="Extended Part", Manufacturer=TI(德州仪器), Operating Temperature=-40℃~+125℃@(Ta), Output Current=5mA, Output Voltage=1.8V, Supply Current=8.5uA, Temperature Coefficient=30ppm/℃, Tolerance=±0.15%, Add into BOM=yes, Convert to PCB=yes, DataSheet=https://www.ti.com/cn/lit/gpn/ref3318, Device=REF3318AIDBZR, LCSC Part Name=REF3318AIDBZR, Manufacturer Part=REF3318AIDBZR, Noise - 1/10Hz to 10Hz=50uVp-p, Noise - 10Hz to 10kHz=-, Output Type=Fixed, Reference Type="series connection", Supplier=LCSC, Supplier Footprint=SOT-23, Supplier Part=C115877, Symbol=REF3318AIDBZR
U5 U6 U11 U12 U17 U18 U23 U24: "C92651", JLCPCB Part Class="Extended Part", LCSC Part Name="DC输入 1通道", Manufacturer=LITEON(光宝), Operating Temperature=-40℃~+85℃, Supply Voltage=4.5V~5.5V, Add into BOM=yes, Common Mode Transient Immunity (CMTI)=10kV/us, Convert to PCB=yes, Data Rate=15Mbit/s, DataSheet=https://atta.szlcsc.com/upload/public/pdf/source/20191018/C92651_D1F9F6F1F10C7EC7C3739E5ECB700036.pdf, Device=6N137S-TA1-L, Input Type=DC, Manufacturer Part=6N137S-TA1-L, Number of Channels=1, Propagation Delay tpLH/tpHL=32ns；40ns, Supplier=LCSC, Supplier Footprint=SOP-8-2.54mm, Supplier Part=C92651, Symbol=6N137S-TA1
U7: library part K7805M-1000R3_C5369649, Input Voltage(DC)=7V~36V, JLCPCB Part Class="Extended Part", LCSC Part Name=K7805M-1000R3, Manufacturer=YLPTEC(易川), Maximum Capacitive Load=2200uF, Output Current (Max)=1000mA, Output Power=5W, Output Voltage=5V, Add into BOM=yes, Conversion Efficiency=94%, Conversion Type=DC-DC, Convert to PCB=yes, DataSheet=https://atta.szlcsc.com/upload/public/pdf/source/20230612/70568B8922D00E56BE7D7C892197C716.pdf, Device=K7805M-1000R3_C5369649, Feature="Short-Circuit  Protection；Low-Power Consumption", Function="Boost type", Manufacturer Part=K7805M-1000R3, Output Channel=1, Supplier=LCSC, Supplier Footprint=SIP-3, Supplier Part=C5369649, Symbol=K7805M-1000R3_C5369649
U26: library part STM32F401RCT6, "C74524", JLCPCB Part Class="Extended Part", Manufacturer=ST(意法半导体), Manufacturer Part=STM32F401RCT6, spicePre=U, spiceSymbolName=STM32F401RCT6, Supplier=LCSC, Supplier Part=C74524
X1: library part CSTCE16M0V53-R0, "C907975", Capacitance=15pF, Case/Package=SMD/SMT, Frequency=16MHz, Frequency Stability=0.3%, Frequency Tolerance=0.5%, Manufacturer=Murata, Max Operating Temperature=85°C, Min Operating Temperature=-40°C, Supplier Part Number 1=490-1198-2-ND, Category=Resonators, ComponentLink1Description=https://www.murata.com/en/products/productdata/8801162231838/SPEC-CSTNE16M0V530000R0.pdf?src-supplier=Digi-Key, ComponentLink1URL=https://www.murata.com/en/products/productdata/8801162231838/SPEC-CSTNE16M0V530000R0.pdf?src-supplier=Digi-Key, Impedance=40R, LCSC Link=https://www.lcsc.com/product-detail/Ceramic-Resonators_Murata-Electronics-CSTCE16M0V53-R0_C32180.html, Manufacturer Part Number=CSTCE16M0V53-R0, Mount="Surface Mount", Packaging="Cut Tape", RoHS=Yes, RoHS Compliant=Yes, Series="CERALOCK® CSTNE", Supplier 1=Digi-Key, Supplier Part Number 2=C32180

## Free pads (board coordinates)
  round 3.5 hole 3: ""(3.302,3.175) ""(3.302,92.964) ""(232.918,3.175) ""(233.299,92.71)

## Via types
v1: diameter 1.5, hole 0.6, Top Layer to Bottom Layer, tented both sides, 376 vias
v2: diameter 0.8, hole 0.4, Top Layer to Bottom Layer, tented both sides, 166 vias
v3: diameter 0.6, hole 0.4, Top Layer to Bottom Layer, tented both sides, 49 vias
v4: diameter 1.5, hole 0.4, Top Layer to Bottom Layer, tented both sides, 12 vias
v5: diameter 1, hole 0.6, Top Layer to Bottom Layer, tented both sides, 7 vias
v6: diameter 1.5/1.5 (per signal layer), hole 0.4, Top Layer to Bottom Layer, tented both sides, 4 vias

## Nets (pads, with @x,y where several pads share a name; then routed paths per layer and width w, separated by ;. In a path a pad name is that pad's centre, name@x,y a point inside that pad or via, vN(x,y) a via of type N, cw(c..) or ccw(c..) an arc to the next point about the centre after c; other vN are vias at no path point)
+3.3V_uC: ASM1117.Vout C19.2 C22.2 C23.2 C24.2 C25.2 C26.2 C27.2 C28.2 C29.2 C30.2 J4.2 L1.1 R83.1 U26.1 U26.19 U26.32 U26.48 U26.64 | length 31.5
  Top Layer w0.25: v2(23.002,77.978) C26.2@23.002,79.375 23.062,79.435 U26.64@25.111,79.435 ; v1(24.892,89.662) 24.892,89.712 25.97,90.79 C25.2@26.924,90.79 ; C22.2@26.797,75.453 26.8,75.456 27.111,75.767 U26.1@27.111,77.435 ; U26.48@27.111,88.935 27.111,90.603 C25.2@26.924,90.79 ; C27.2@28.321,90.79 C25.2@26.924,90.79 ; v2(36.576,89.662) 36.599,89.685 37.188,89.685 38.339,88.534 C24.2@38.339,87.757 36.83,87.757 36.611,87.538 U26.32@36.611,86.935 ; U26.19@36.611,80.435 C23.2@38.989,80.435 ; C23.2@38.481,80.645 v2(39.878,80.645)
  Top Layer w0.381: v1(25.273,75.565) 25.329,75.509 26.747,75.509 C22.2@26.8,75.456 ; v2(28.702,69.596) 28.71,69.588 30.053,69.588 R83.1@30.072,69.607 ; C30.2@58.928,78.501 61.864,78.501 v1(62.992,79.629) ; J4.2@58.928,79.802 60.449,79.802 61.673,81.026 v1(61.722,81.026)
  other v1: 20.193,89.916 20.193,91.821
  other v2: 34.417,72.39
+5V: C1.2 C3.2 C7.2 C9.2 C11.2 C16.1 C33.2 C37.2 C41.2 C42.2 C43.2 C44.2 C48.2 C52.2 C53.2 C54.2 C55.2 C59.2 C63.2 C64.2 C65.2 R2.1 R6.1 R9.2 R10.2 R12.2 R13.1 R17.1 R19.1 R23.1 R27.2 R28.2 R29.2 R30.1 R34.1 R36.1 R38.1 R43.1 R47.2 R49.2 R50.2 R51.1 R55.1 R57.1 R59.1 R64.1 R68.2 R69.2 R70.2 R71.1 R75.1 R77.1 R79.1 T1.C T4.C T7.C T10.C U1.14 U2.4 U3.9 U4.1 U5.8 U6.8 U7.3 U8.14 U9.9 U10.1 U11.8 U12.8 U13.4 U14.14 U15.9 U16.1 U17.8 U18.8 U19.4 U20.14 U21.9 U22.1 U23.8 U24.8 U25.4 | length 138.5
  Top Layer w0.25: U25.4@52.324,59.492 52.324,58.942 52.944,58.322 C65.2@52.944,57.404 52.944,56.53 v5(54.038,55.435) 53.975,55.372 R79.1@53.975,53.773 ; C41.2@139.065,56.53 U11.8@139.065,58.447
  Top Layer w0.381: R75.1@33.707,56.261 33.786,56.181 34.456,56.181 34.884,55.753 v5(35.052,55.753) ; U23.8@37.973,57.939 38.1,57.812 C63.2@38.1,56.276 ; C63.2@38.179,56.196 38.338,56.038 39.171,56.038 39.456,55.753 v5(39.624,55.753) ; T10.C@38.862,20.644 39.114,20.392 39.114,19.8 39.624,19.29 v2(39.624,19.177) ; R69.2@42.926,40.625 42.989,40.561 42.989,38.799 v1(43.053,38.735) ; R77.1@44.375,56.261 44.454,56.181 44.862,56.181 45.29,55.753 v1(45.593,55.753) 45.896,55.753 46.404,56.261 C64.2@48.514,56.261 48.514,57.812 U24.8@48.387,57.939 ; v2(46.99,28.702) 47.094,28.702 47.729,29.337 C55.2@48.753,29.337 48.753,27.521 48.664,27.432 U20.14@48.362,27.432 ; R71.1@49.38,40.767 49.391,40.755 49.391,39.255 v1(49.403,39.243) ; v5(61.595,35.941) 62.375,36.721 C59.2@62.375,38.354 62.375,39.724 U22.1@62.468,39.817 ; R70.2@64.646,52.085 67.452,52.085 67.818,52.451 v2(67.945,52.451) ; R64.1@66.092,42.037 v2(67.564,42.037) ; v2(69.977,42.545) 69.977,44.181 R68.2@69.992,44.196 ; R55.1@84.634,56.007 84.647,56.007 85.137,55.517 85.137,55.071 v2(85.217,54.991) ; v2(87.249,55.88) C52.2@88.773,55.88 88.773,57.431 U17.8@88.646,57.558 ; T7.C@87.376,20.644 87.426,20.644 87.735,20.334 87.735,19.693 88.138,19.29 v2(88.138,19.177) ; v2(93.218,38.989) R49.2@93.218,40.498 ; R57.1@94.592,55.88 94.671,55.8 95.216,55.8 95.518,55.499 v2(95.631,55.499) ; v2(94.742,27.559) 94.822,27.639 94.822,28.065 96.095,29.337 C44.2@97.14,29.337 97.14,27.394 97.051,27.305 U14.14@96.749,27.305 ; v2(97.79,55.499) 97.903,55.499 98.172,55.768 C53.2@99.187,55.768 U18.8@99.187,57.431 ; v2(99.949,39.116) R51.1@99.949,40.894 ; U19.4@102.997,58.476 102.997,58.066 103.237,57.827 103.377,57.827 103.744,57.46 C54.2@103.744,56.388 ; R59.1@104.27,54.61 104.27,55.242 103.886,55.626 103.886,56.246 C54.2@103.744,56.388 ; v2(104.648,57.658) 104.003,57.013 104.003,56.647 C54.2@103.744,56.388 ; v2(112.54,36.591) C48.2@112.54,38.1 112.54,39.597 U16.1@112.633,39.69 ; R50.2@114.176,52.085 114.226,52.085 115.481,53.34 v2(118.364,53.34) ; R43.1@116.514,42.037 v2(118.023,42.037) ; v2(120.284,42.687) R47.2@120.284,44.196 ; v2(131.792,56.261) R34.1@133.301,56.261 ; T4.C@137.414,19.501 137.723,19.191 138.175,19.191 138.444,18.923 v2(138.557,18.923) ; C41.2@139.065,56.53 v2(140.574,56.53) ; v2(143.51,39.258) R28.2@143.51,40.767 ; v2(145.542,28.321) C33.2@147.051,28.321 147.051,26.632 146.962,26.543 U8.14@146.66,26.543 ; R36.1@145.594,56.515 v2(146.685,56.515) ; v2(148.59,56.388) 148.661,56.459 149.662,56.459 C42.2@149.733,56.53 149.733,58.32 U12.8@149.606,58.447 ; v2(150.495,39.751) 150.521,39.777 150.521,40.741 R30.1@150.547,40.767 ; U13.4@153.543,58.984 153.543,58.336 153.912,57.968 C43.2@153.912,56.896 ; v2(154.813,58.293) 154.171,57.651 154.171,57.156 C43.2@153.912,56.896 ; R38.1@154.816,55.551 154.816,55.564 154.171,56.208 154.171,56.636 C43.2@153.912,56.896 ; v2(163.068,35.56) 163.077,35.569 163.077,38.345 C37.2@163.068,38.354 ; C37.2@163.086,38.354 163.086,39.766 U10.1@163.198,39.878 ; R29.2@164.595,52.212 164.645,52.212 165.041,51.816 v2(168.454,51.816) ; R23.1@167.311,41.656 v2(168.82,41.656) ; v2(170.576,42.687) R27.2@170.576,44.196 ; R17.1@184.329,56.515 v2(185.42,56.515) ; U5.8@188.468,58.193 188.486,58.175 C9.2@188.486,55.88 v2(189.995,55.88) ; v2(190.5,20.278) T1.C@190.5,21.787 ; v2(194.31,39.37) R10.2@194.31,40.625 ; R19.1@194.818,56.261 194.881,56.325 196.024,56.325 v2(196.088,56.388) ; v2(198.25,30.226) C1.2@199.759,30.226 199.759,28.588 U1.14@199.746,28.575 ; C11.2@199.154,56.261 199.154,56.311 199.797,56.954 199.797,57.07 v2(199.878,57.15) ; v2(200.914,39.751) 200.94,39.777 200.94,40.741 R13.1@200.966,40.767 ; C3.2@202.931,56.642 C3.2@202.938,56.65 ; U2.4@202.946,58.857 202.938,58.85 C3.2@202.938,56.65 ; v2(203.835,57.912) 203.19,57.267 203.19,56.902 C3.2@202.938,56.65 ; v2(204.597,55.372) 204.598,55.371 204.598,54.028 R6.1@204.6,54.027 ; v2(213.106,36.83) 213.115,36.839 213.115,38.345 C7.2@213.106,38.354 ; C7.2@213.124,38.354 213.124,39.658 213.283,39.817 U4.1@213.474,39.817 ; R12.2@215.014,52.466 215.021,52.458 219.068,52.458 v2(219.075,52.451) ; R2.1@217.606,41.783 v2(219.115,41.783) ; v2(221.249,42.687) R9.2@221.249,44.196
+5V_uC: ASM1117.Vin C17.2 C18.2 C20.1 C21.2 J5.3
  other v1: 9.779,85.725
+24V: C5.2 C6.2 C12.1 C13.1 C14.1 C15.1 C36.2 C38.2 C47.2 C49.2 C58.2 C60.2 C66.2 C68.2 C70.2 C72.2 F1.1 F2.1 F3.1 F4.1 J1.3 J1.4 R4.1 R5.2 R21.1 R24.1 R25.2 R44.1 R45.2 R65.1 R66.2 U3.6 U3.20 U7.1 U9.6 U9.20 U15.6 U15.20 U21.6 U21.20 | length 14.7
  Top Layer w0.25: v2(71.12,52.705) 71.501,52.324 R66.2@71.501,50.942 ; v2(73.406,51.054) 73.471,51.054 74.422,50.103 R65.1@74.422,50.09
  Top Layer w0.381: v1(10.668,48.22) R21.1@10.668,50.494 ; v2(61.102,49.911) 61.976,49.911 ; R45.2@119.38,50.942 v2(120.889,50.942) ; R44.1@124.46,50.09 v2(124.46,51.599) ; R25.2@172.847,50.942 v2(172.847,52.451) ; R24.1@175.387,50.09 v2(175.387,51.181) ; R5.2@223.266,50.942 v2(223.266,52.451) ; R4.1@225.806,50.09 v2(225.806,51.181)
  other v2: 112.768,49.866 111.749,49.89 163.273,49.956 213.683,49.956 162.254,49.98 212.664,49.98
  other v6: 112.144,47.752 162.649,47.842 213.059,47.842 61.722,47.879
ALRET_1: Q1.1 R9.1 U3.1 | length 3.7
  Top Layer w0.381: U3.1@218.059,43.942 218.313,44.196 R9.1@219.949,44.196 219.862,44.283 219.862,45.777 Q1.1@219.776,45.863
ALRET_2: Q2.1 R27.1 U9.1 | length 3.5
  Top Layer w0.381: U9.1@167.649,43.942 167.903,44.196 R27.1@169.276,44.196 169.276,45.415 169.103,45.588 Q2.1@169.103,45.863
ALRET_3: Q3.1 R47.1 U15.1 | length 3.7
  Top Layer w0.381: U15.1@117.239,43.942 117.493,44.196 R47.1@118.984,44.196 118.984,45.205 118.761,45.429 118.716,45.429 118.557,45.588 Q3.1@118.557,45.863
ALRET_4: Q4.1 R68.1 U21.1 | length 3.8
  Top Layer w0.381: U21.1@66.829,43.942 67.083,44.196 R68.1@68.692,44.196 68.692,44.246 68.265,44.673 Q4.1@68.265,45.863
CLK_1: R17.2 U1.1 U3.21 U5.6 | length 46.4
  Top Layer w0.381: U5.6@183.388,58.193 183.388,53.724 191.773,45.339 ; U1.1@194.208,28.575 190.373,28.575 188.087,30.861 188.087,41.653 191.773,45.339 ; U3.21@198.059,43.942 198.059,44.242 196.962,45.339 191.773,45.339
CLK_2: R34.2 U8.1 U9.21 U11.6 | length 50
  Top Layer w0.381: U11.6@133.985,58.447 134.167,58.265 R34.2@134.167,56.261 134.167,51.637 140.338,45.466 ; U8.1@141.122,26.543 136.652,26.543 135.001,28.194 135.001,40.129 140.338,45.466 ; U9.21@147.649,43.942 147.649,44.242 146.425,45.466 140.338,45.466
CLK_3: R55.2 U14.1 U15.21 U17.6 | length 47.1
  Top Layer w0.381: U17.6@83.566,57.558 83.768,57.356 R55.2@83.768,56.007 83.768,50.728 89.03,45.466 ; U14.1@91.211,27.305 87.122,27.305 86.741,27.686 86.741,43.177 89.03,45.466 ; U15.21@97.239,43.942 96.904,44.277 96.904,45.212 96.65,45.466 89.03,45.466
CLK_4: R75.2 U20.1 U21.21 U23.6 | length 41.2
  Top Layer w0.381: U23.6@32.893,57.939 32.841,57.887 R75.2@32.841,56.261 32.841,52.757 40.259,45.339 45.732,45.339 46.829,44.242 46.829,32.224 42.824,28.219 U20.1@42.824,27.432
DIR_1: R19.2 U3.22 U6.6 | length 12.1
  Top Layer w0.381: U6.6@193.929,58.193 194.059,58.063 v2(194.059,54.737)
  Bottom Layer w0.381: v2(194.059,54.737) 194.821,54.737 197.059,52.499 U3.22@197.059,47.842
DIR_2: R36.2 U9.22 U12.6 | length 11.5
  Top Layer w0.381: U12.6@144.526,58.447 144.728,58.245 R36.2@144.728,56.515 144.728,55.3 v2(145.545,54.483)
  Bottom Layer w0.381: v2(145.545,54.483) 146.649,53.379 U9.22@146.649,47.842
DIR_3: R57.2 U15.22 U18.6 | length 12.9
  Top Layer w0.381: v2(92.967,53.594) 92.967,55.121 R57.2@93.726,55.88 ; R57.2@93.726,55.803 93.726,57.05 U18.6@94.107,57.431
  Bottom Layer w0.381: v2(92.967,53.594) 95.38,53.594 96.015,52.959 96.015,49.849 96.239,49.625 U15.22@96.239,47.842
DIR_4: R77.2 U21.22 U24.6 | length 13.2
  Top Layer w0.381: v2(42.291,51.308) 42.291,55.043 43.417,56.169 43.417,56.181 43.496,56.261 R77.2@43.509,56.261 43.509,57.737 U24.6@43.307,57.939
  Bottom Layer w0.381: v2(42.291,51.308) 43.302,51.308 44.858,49.752 45.702,49.752 45.829,49.625 U21.22@45.829,47.842
ENABLE_1: R6.2 T3.C U3.18 | length 7.2
  Top Layer w0.381: v3(201.059,47.842) 201.059,51.523 201.316,51.78 201.316,51.83 201.626,52.14 201.676,52.14 ; T3.C@202.314,52.267 202.364,52.267 203.258,53.161 R6.2@204.6,53.161
ENABLE_2: R38.2 T6.C U9.18 | length 9.4
  Top Layer w0.381: v3(150.649,47.842) 150.649,50.767 152.17,52.288 152.17,52.338 152.48,52.648 T6.C@152.53,52.648 153.87,52.648 154.816,53.594 R38.2@154.816,54.685
ENABLE_3: R59.2 T9.C U15.18 | length 8
  Top Layer w0.25: v3(100.171,47.916) 100.171,50.386 101.57,51.785 101.57,51.835 101.945,52.21 T9.C@101.995,52.21 102.033,52.248 102.774,52.248 104.112,53.587 104.125,53.587 104.27,53.732 R59.2@104.27,53.744
ENABLE_4: R79.2 T12.C U21.18 | length 8.4
  Top Layer w0.381: v3(49.829,47.842) 49.829,51.173 51.628,52.972 T12.C@51.678,52.972 51.71,52.94 53.943,52.94 R79.2@53.975,52.907 53.975,52.894 53.895,52.815 R79.2@53.883,52.815
  Bottom Layer w0.381: v3(49.829,47.842) U21.18@49.865,47.878